# Allegro board reServer industrial J401 Carrier Board v11.brd (continued)
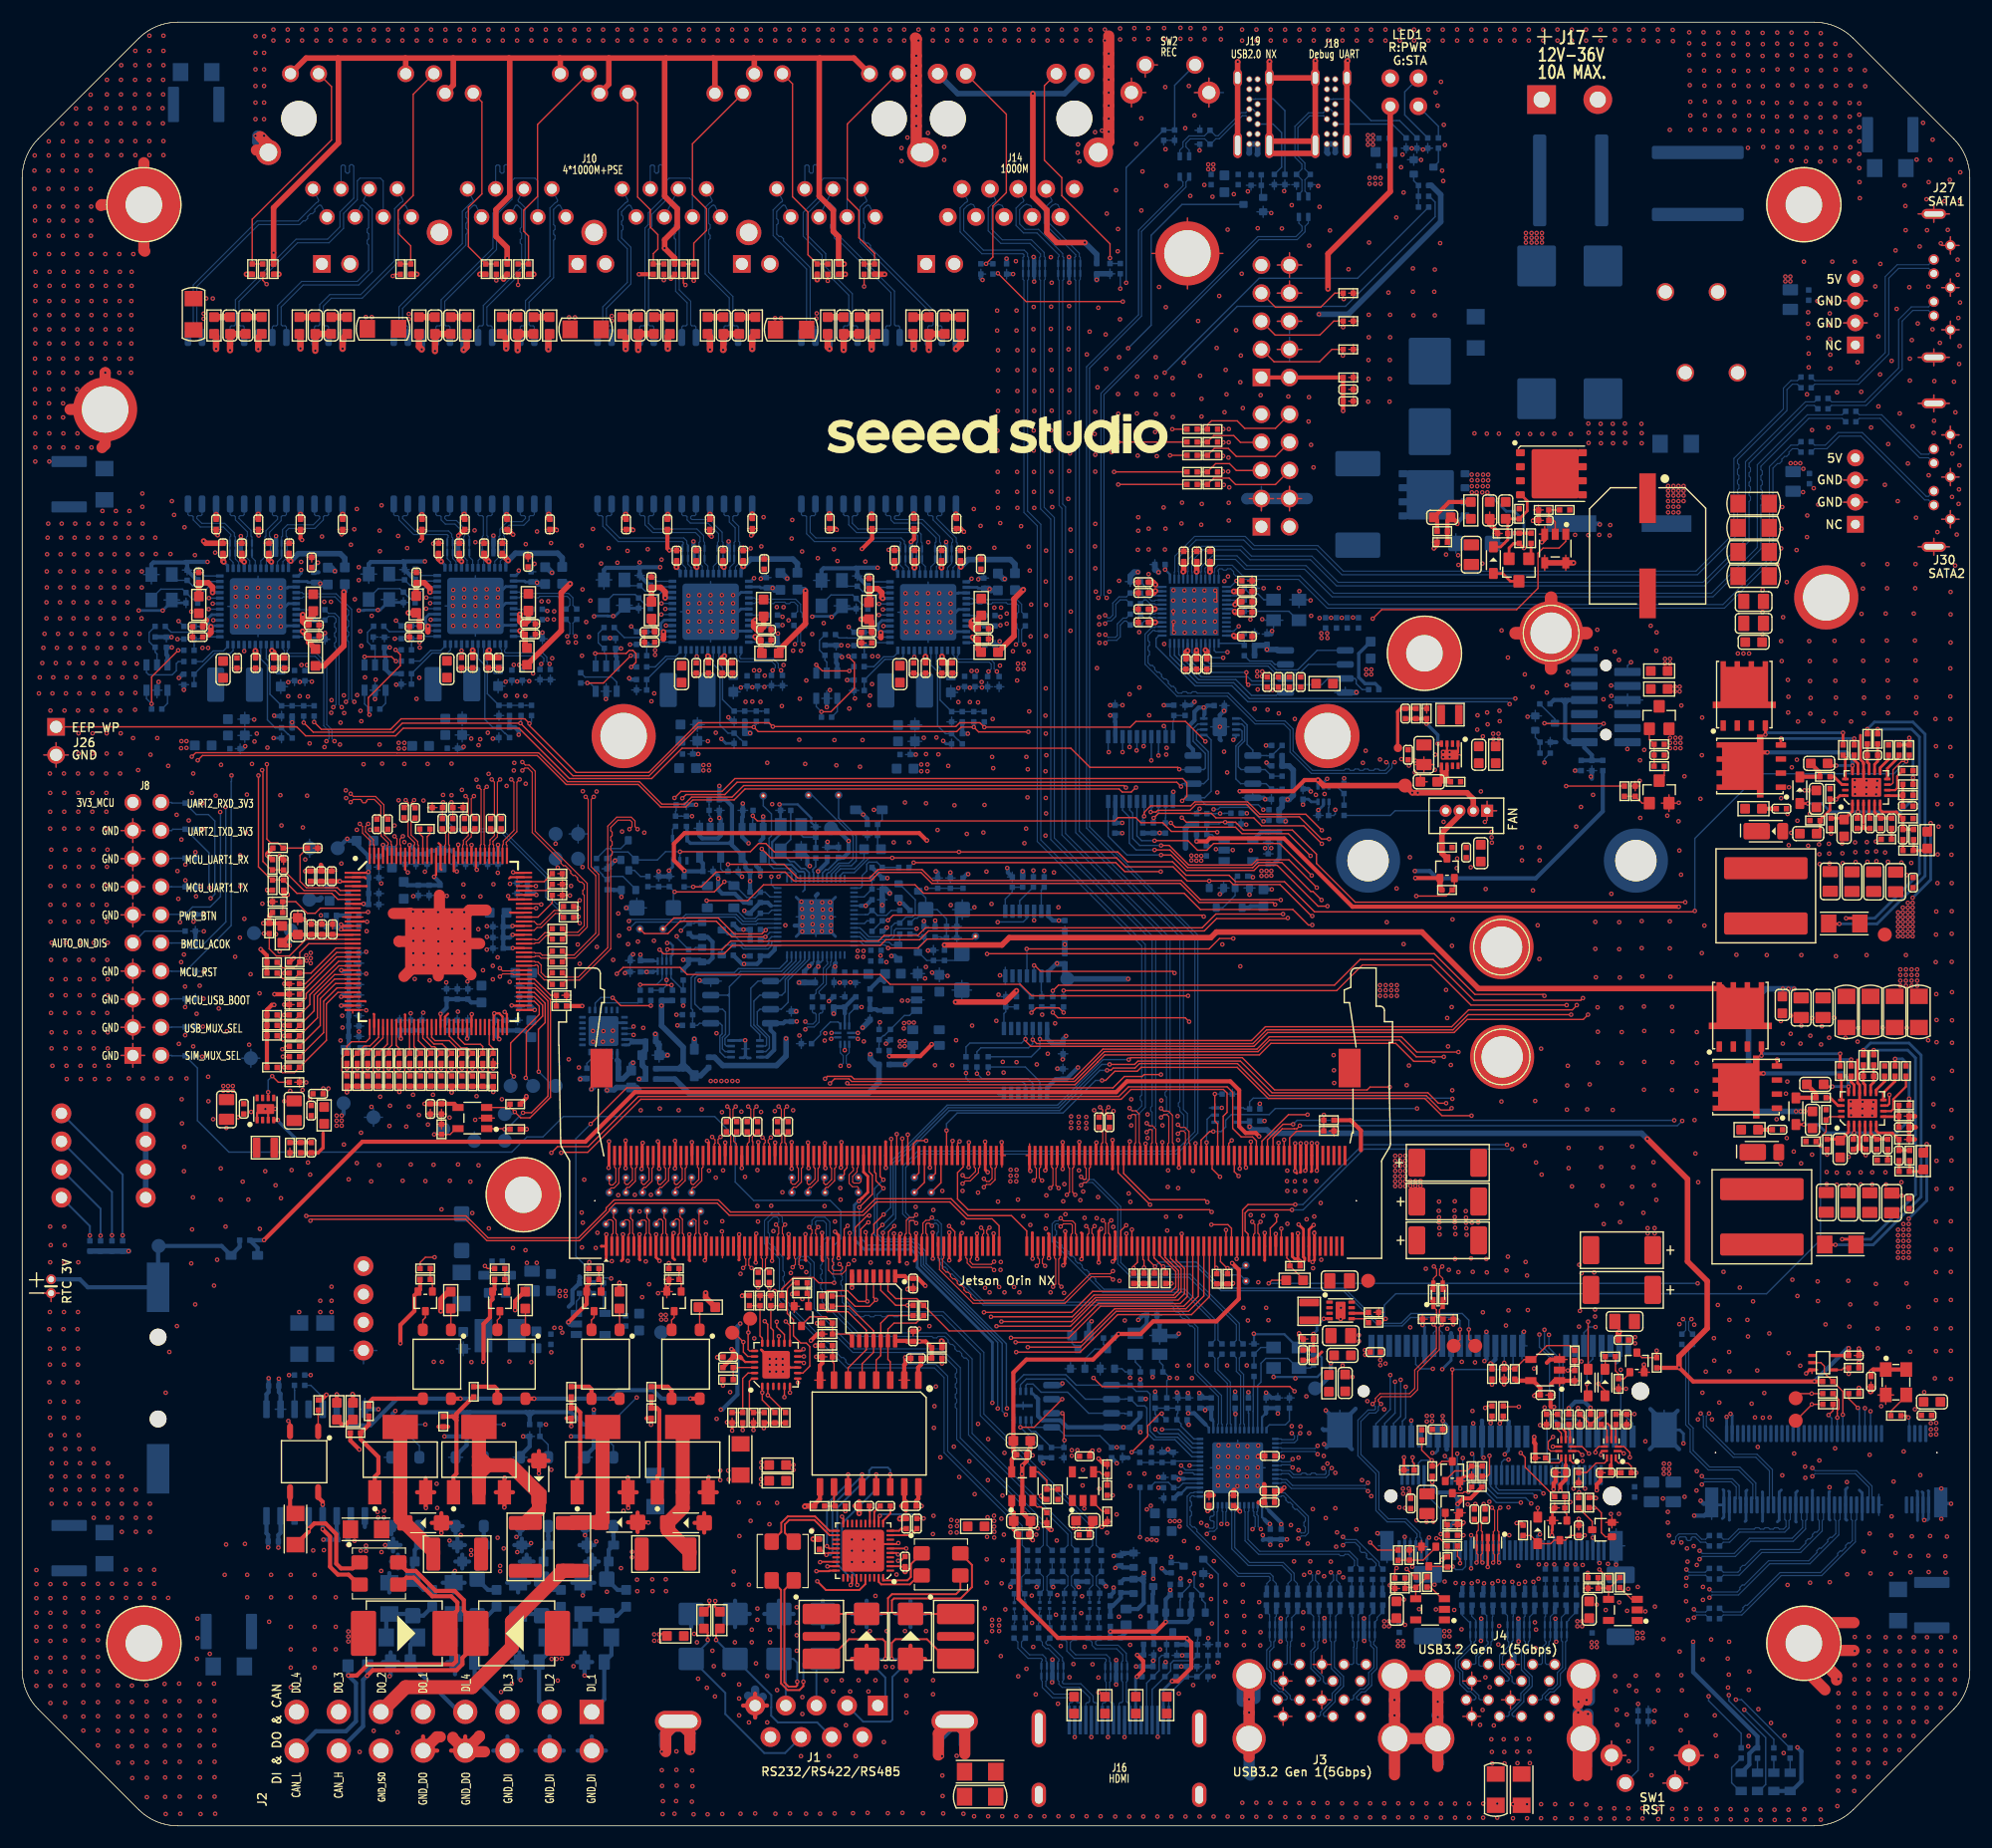
[diagram p0: board, top side]
## Footprints (pads in the part's own frame, mm; a bottom-side part is the same pattern mirrored in y, then rotated) (continued)
QFN24_0D5_4X4MM
  rrect 0.6x0.25 smd: 1(-1.9,1.25) 2(-1.9,0.75) 3(-1.9,0.25) 4(-1.9,-0.25) 5(-1.9,-0.75) 6(-1.9,-1.25) 13(1.9,-1.25) 14(1.9,-0.75) 15(1.9,-0.25) 16(1.9,0.25) 17(1.9,0.75) 18(1.9,1.25)
  rrect 0.25x0.6 smd: 7(-1.25,-1.9) 8(-0.75,-1.9) 9(-0.25,-1.9) 10(0.25,-1.9) 11(0.75,-1.9) 12(1.25,-1.9) 19(1.25,1.9) 20(0.75,1.9) 21(0.25,1.9) 22(-0.25,1.9) 23(-0.75,1.9) 24(-1.25,1.9)
  rrect 2.7x2.7 smd: 25(0,0)
QFN40_0D4_5X5MM
  rrect 0.7x0.2 smd: 1(-2.45,1.8) 2(-2.45,1.4) 3(-2.45,1) 4(-2.45,0.6) 5(-2.45,0.2) 6(-2.45,-0.2) 7(-2.45,-0.6) 8(-2.45,-1) 9(-2.45,-1.4) 10(-2.45,-1.8) 21(2.45,-1.8) 22(2.45,-1.4) 23(2.45,-1) 24(2.45,-0.6) 25(2.45,-0.2) 26(2.45,0.2) 27(2.45,0.6) 28(2.45,1) 29(2.45,1.4) 30(2.45,1.8)
  rrect 0.2x0.7 smd: 11(-1.8,-2.45) 12(-1.4,-2.45) 13(-1,-2.45) 14(-0.6,-2.45) 15(-0.2,-2.45) 16(0.2,-2.45) 17(0.6,-2.45) 18(1,-2.45) 19(1.4,-2.45) 20(1.8,-2.45) 31(1.8,2.45) 32(1.4,2.45) 33(1,2.45) 34(0.6,2.45) 35(0.2,2.45) 36(-0.2,2.45) 37(-0.6,2.45) 38(-1,2.45) 39(-1.4,2.45) 40(-1.8,2.45)
  rrect 3.8x3.8 smd: 41(0,0)
QFN48_0D4_6X6_EP
  rect 0.8x0.2 smd: 1(-2.9,2.2) 2(-2.9,1.8) 3(-2.9,1.4) 4(-2.9,1) 5(-2.9,0.6) 6(-2.9,0.2) 7(-2.9,-0.2) 8(-2.9,-0.6) 9(-2.9,-1) 10(-2.9,-1.4) 11(-2.9,-1.8) 12(-2.9,-2.2) 25(2.9,-2.2) 26(2.9,-1.8) 27(2.9,-1.4) 28(2.9,-1) 29(2.9,-0.6) 30(2.9,-0.2) 31(2.9,0.2) 32(2.9,0.6) 33(2.9,1) 34(2.9,1.4) 35(2.9,1.8) 36(2.9,2.2)
  rect 0.2x0.8 smd: 13(-2.2,-2.9) 14(-1.8,-2.9) 15(-1.4,-2.9) 16(-1,-2.9) 17(-0.6,-2.9) 18(-0.2,-2.9) 19(0.2,-2.9) 20(0.6,-2.9) 21(1,-2.9) 22(1.4,-2.9) 23(1.8,-2.9) 24(2.2,-2.9) 37(2.2,2.9) 38(1.8,2.9) 39(1.4,2.9) 40(1,2.9) 41(0.6,2.9) 42(0.2,2.9) 43(-0.2,2.9) 44(-0.6,2.9) 45(-1,2.9) 46(-1.4,2.9) 47(-1.8,2.9) 48(-2.2,2.9)
  rect 4.4x4.4 smd: 49(0,0)
QFN48_0D5_7X7MM
  rrect 0.7x0.3 smd: 1(-3.45,2.75) 2(-3.45,2.25) 3(-3.45,1.75) 4(-3.45,1.25) 5(-3.45,0.75) 6(-3.45,0.25) 7(-3.45,-0.25) 8(-3.45,-0.75) 9(-3.45,-1.25) 10(-3.45,-1.75) 11(-3.45,-2.25) 12(-3.45,-2.75) 25(3.45,-2.75) 26(3.45,-2.25) 27(3.45,-1.75) 28(3.45,-1.25) 29(3.45,-0.75) 30(3.45,-0.25) 31(3.45,0.25) 32(3.45,0.75) 33(3.45,1.25) 34(3.45,1.75) 35(3.45,2.25) 36(3.45,2.75)
  rrect 0.3x0.7 smd: 13(-2.75,-3.45) 14(-2.25,-3.45) 15(-1.75,-3.45) 16(-1.25,-3.45) 17(-0.75,-3.45) 18(-0.25,-3.45) 19(0.25,-3.45) 20(0.75,-3.45) 21(1.25,-3.45) 22(1.75,-3.45) 23(2.25,-3.45) 24(2.75,-3.45) 37(2.75,3.45) 38(2.25,3.45) 39(1.75,3.45) 40(1.25,3.45) 41(0.75,3.45) 42(0.25,3.45) 43(-0.25,3.45) 44(-0.75,3.45) 45(-1.25,3.45) 46(-1.75,3.45) 47(-2.25,3.45) 48(-2.75,3.45)
  rrect 5.1x5.1 smd: 49(0,0)
QFN56_0D4_7X7X0_9MM
  rrect 0.7x0.18 smd: 1(-3.45,2.6) 2(-3.45,2.2) 3(-3.45,1.8) 4(-3.45,1.4) 5(-3.45,1) 6(-3.45,0.6) 7(-3.45,0.2) 8(-3.45,-0.2) 9(-3.45,-0.6) 10(-3.45,-1) 11(-3.45,-1.4) 12(-3.45,-1.8) 13(-3.45,-2.2) 14(-3.45,-2.6) 29(3.45,-2.6) 30(3.45,-2.2) 31(3.45,-1.8) 32(3.45,-1.4) 33(3.45,-1) 34(3.45,-0.6) 35(3.45,-0.2) 36(3.45,0.2) 37(3.45,0.6) 38(3.45,1) 39(3.45,1.4) 40(3.45,1.8) 41(3.45,2.2) 42(3.45,2.6)
  rrect 0.18x0.7 smd: 15(-2.6,-3.45) 16(-2.2,-3.45) 17(-1.8,-3.45) 18(-1.4,-3.45) 19(-1,-3.45) 20(-0.6,-3.45) 21(-0.2,-3.45) 22(0.2,-3.45) 23(0.6,-3.45) 24(1,-3.45) 25(1.4,-3.45) 26(1.8,-3.45) 27(2.2,-3.45) 28(2.6,-3.45) 43(2.6,3.45) 44(2.2,3.45) 45(1.8,3.45) 46(1.4,3.45) 47(1,3.45) 48(0.6,3.45) 49(0.2,3.45) 50(-0.2,3.45) 51(-0.6,3.45) 52(-1,3.45) 53(-1.4,3.45) 54(-1.8,3.45) 55(-2.2,3.45) 56(-2.6,3.45)
  rrect 3.2x3.2 smd: 57(0,0)
R0402
  rrect 0.5x0.5 smd: 1(-0.463,0) 2(0.463,0)
R0603
  rrect 0.889x0.889 smd: 1(-0.762,0) 2(0.762,0)
R0805
  rrect 1.016x1.397 smd: 1(-0.889,0) 2(0.889,0)
R1206
  rect 1.397x1.626 smd: 1(-1.41,0) 2(1.41,0)
RES_0D8_16_5X4_1X20MM
  round 1.6 hole 1.2: 1(-3.65,0.9) 2(3.65,-0.9)
RJ45_1X4_48P_LPJE104-0BENL
  round 3.2 hole 3.2 unplated: (-26.67,0) (26.67,0)
  round 1.4 hole 0.9: A1(-25.4,6.35) A2(-24.13,8.89) A3(-22.86,6.35) A4(-21.59,8.89) A5(-20.32,6.35) A6(-19.05,8.89) A7(-17.78,6.35) A8(-16.51,8.89) B1(-11.43,6.35) B2(-10.16,8.89) B3(-8.89,6.35) B4(-7.62,8.89) B5(-6.35,6.35) B6(-5.08,8.89) B7(-3.81,6.35) B8(-2.54,8.89) C1(2.54,6.35) C2(3.81,8.89) C3(5.08,6.35) C4(6.35,8.89) C5(7.62,6.35) C6(8.89,8.89) C7(10.16,6.35) C8(11.43,8.89) D1(16.51,6.35) D2(17.78,8.89) D3(19.05,6.35) D4(20.32,8.89) D5(21.59,6.35) D6(22.86,8.89) D7(24.13,6.35) D8(25.4,8.89)
  round 1.53 hole 1.02: A9(-27.43,-4.06) A10(-24.89,-4.06) A11(-17.02,-4.06) A12(-14.48,-4.06) B9(-13.46,-2.29) B10(-10.92,-2.29) B11(-3.05,-4.06) B12(-0.51,-4.06) C9(0.51,-2.29) C10(3.05,-2.29) C11(10.92,-2.29) C12(13.46,-2.29) D9(14.48,-4.06) D10(17.02,-4.06) D11(24.89,-4.06) D12(27.43,-4.06)
  round 2.3 hole 1.6: S1(-29.43,3.05) S2(-13.97,10.29) S3(0,10.29) S4(13.97,10.29) S5(29.43,3.05)
RJ45_18P_LPJG0801HBNL
  round 3.25 hole 3.25 unplated: (-5.715,0) (5.715,0)
  round 1.6 hole 0.9: 1(-5.715,8.89) 2(-4.445,6.35) 3(-3.175,8.89) 4(-1.905,6.35) 5(-0.635,8.89) 6(0.635,6.35) 7(1.905,8.89) 8(3.175,6.35) 9(4.445,8.89) 10(5.715,6.35)
  round 1.8 hole 1.05: 11(-6.63,-4.06) 12(-4.09,-4.06) 13(4.09,-4.06) 14(6.63,-4.06)
  round 2.7 hole 1.7: 15(-7.875,3.05) 16(7.875,3.05)
SATA7P_1D27_16_1X6_4X8_4MM
  round 0.95 hole 0.635: G1(-3.63,-1.5) G2(0.18,-1.5) G3(3.99,-1.5) R+(-2.36,0) R-(-1.09,0) T+(2.72,0) T-(1.45,0)
  oval 0.9x2.2 hole 0.5x1.78: S1(-6.48,0) S2(6.48,0)
SMD3P_2D0_6_5X4X1MM
  rrect 1.85x3.4 smd: 1(-2.025,0) 3(2.025,0)
  rrect 0.8x3.4 smd: 2(0,0)
SOD_123
  rrect 1.397x1.397 smd: 1(-1.651,0) 2(1.651,0)
SOD_323
  rrect 1x0.8 smd: 1(-1.2,0) 2(1.2,0)
SOIC8_1D27_4_9X3_9MM
  rrect 0.6x1.55 smd: 1(-1.905,-2.7) 2(-0.635,-2.7) 3(0.635,-2.7) 4(1.905,-2.7) 5(1.905,2.7) 6(0.635,2.7) 7(-0.635,2.7) 8(-1.905,2.7)
SOIC16_1R27_10R3X7R5MM
  rrect 0.6x1.6 smd: 1(-4.445,-4.825) 2(-3.175,-4.825) 3(-1.905,-4.825) 4(-0.635,-4.825) 5(0.635,-4.825) 6(1.905,-4.825) 7(3.175,-4.825) 8(4.445,-4.825) 9(4.445,4.825) 10(3.175,4.825) 11(1.905,4.825) 12(0.635,4.825) 13(-0.635,4.825) 14(-1.905,4.825) 15(-3.175,4.825) 16(-4.445,4.825)
SON8P_1D27_5X6X1MM
  rrect 0.8x0.65 smd: 1(-2.802,1.905) 2(-2.802,0.635) 3(-2.802,-0.635) 4(-2.802,-1.905) 5(2.802,-1.905) 6(2.802,-0.635) 7(2.802,0.635) 8(2.802,1.905)
  rrect 4.27x4.46 smd: 9(0.337,0)
SOP4-2_54MM
  rrect 0.91x1.14 smd: 1(-1.27,-3.11) 2(1.27,-3.11) 3(1.27,3.11) 4(-1.27,3.11)
SOP4-2_54MM-S
  oval 0.55x1.45 smd: 1(-1.27,-2.75) 2(1.27,-2.75) 3(1.27,2.75) 4(-1.27,2.75)
SOT6
  rrect 0.6x0.3 smd: 1(-0.74,0.5) 2(-0.74,0) 3(-0.74,-0.5) 4(0.66,-0.5) 5(0.66,0) 6(0.66,0.5)
SOT23
  rrect 1.016x1.143 smd: 1(-0.889,-1.016) 2(0.889,-1.016) 3(0,1.016)
SOT23-5
  rect 0.635x1.016 smd: 1(-0.953,-1.295) 2(0,-1.295) 3(0.953,-1.295) 4(0.953,1.295) 5(-0.953,1.295)
SOT23_6
  rrect 0.55x1.016 smd: 1(-0.95,-1.143) 2(0,-1.143) 3(0.95,-1.143) 4(0.95,1.143) 5(0,1.143) 6(-0.95,1.143)
SOT223_4
  rect 2.2x1.2 smd: 1(-2.95,2.3) 2(-2.95,0) 3(-2.95,-2.3)
  rect 2.2x3.2 smd: 4(2.95,0)
SOT353
  rrect 0.3x0.7 smd: 1(-0.65,-1) 2(0,-1) 3(0.65,-1) 4(0.65,1) 5(-0.65,1)
SOT-323-3
  rrect 0.635x0.762 smd: 1(-0.635,-0.889) 2(0.665,-0.889) 3(0,0.889)
SOT_143
  rect 1.219x1.397 smd: 1(-0.75,-1.1)
  rect 1.016x1.397 smd: 2(0.95,-1.1) 3(0.95,1.1) 4(-0.95,1.1)
SW8P_2D54_11_72X9_6X9_4MM
  round 1.8 hole 1.036: 1(-3.81,-3.81) 2(-1.27,-3.81) 3(1.27,-3.81) 4(3.81,-3.81) 5(3.81,3.81) 6(1.27,3.81) 7(-1.27,3.81) 8(-3.81,3.81)
SWITCH4-8X7X7MM
  round 1.6 hole 1.1: 1(-2.25,0.15) 2(2.25,0.15)
  round 2 hole 1.2: 3(-3.5,-2.35) 4(3.5,-2.35)
TERMINAL_2P_5D08
  rect 2.6x2.6 hole 1.45: 1(-2.54,0)
  round 2.6 hole 1.45: 2(2.54,0)
TERMINAL_2X8P_3D81
  rect 2.2x2.2 hole 1.4: 1(-13.335,0)
  round 2.2 hole 1.4: 2(-13.335,-3.5) 3(-9.525,0) 4(-9.525,-3.5) 5(-5.715,0) 6(-5.715,-3.5) 7(-1.905,0) 8(-1.905,-3.5) 9(1.905,0) 10(1.905,-3.5) 11(5.715,0) 12(5.715,-3.5) 13(9.525,0) 14(9.525,-3.5) 15(13.335,0) 16(13.335,-3.5)
TP28C8D
  round 0.45 hole 0.2: 1(0,0)
TP30C_SMD
  round 0.762 smd: 1(0,0)
TP60C_SMD
  round 1.27 smd: 1(0,0)
TRF24P_1D27_17_7X12_2X6_6MM
  rrect 0.6x1.55 smd: 1(-6.985,-7.525) 2(-5.715,-7.525) 3(-4.445,-7.525) 4(-3.175,-7.525) 5(-1.905,-7.525) 6(-0.635,-7.525) 7(0.635,-7.525) 8(1.905,-7.525) 9(3.175,-7.525) 10(4.445,-7.525) 11(5.715,-7.525) 12(6.985,-7.525) 13(6.985,7.525) 14(5.715,7.525) 15(4.445,7.525) 16(3.175,7.525) 17(1.905,7.525) 18(0.635,7.525) 19(-0.635,7.525) 20(-1.905,7.525) 21(-3.175,7.525) 22(-4.445,7.525) 23(-5.715,7.525) 24(-6.985,7.525)
TSSOP14_0D65_5X4D4X1D2MM
  rrect 0.4x1.2 smd: 1(-1.95,-2.925) 2(-1.3,-2.925) 3(-0.65,-2.925) 4(0,-2.925) 5(0.65,-2.925) 6(1.3,-2.925) 7(1.95,-2.925) 8(1.95,2.925) 9(1.3,2.925) 10(0.65,2.925) 11(0,2.925) 12(-0.65,2.925) 13(-1.3,2.925) 14(-1.95,2.925)
TSSOP20-0_65-6_5X4_4X1MM
  rrect 0.4x1.2 smd: 1(-2.925,-2.925) 2(-2.275,-2.925) 3(-1.625,-2.925) 4(-0.975,-2.925) 5(-0.325,-2.925) 6(0.325,-2.925) 7(0.975,-2.925) 8(1.625,-2.925) 9(2.275,-2.925) 10(2.925,-2.925) 11(2.925,2.925) 12(2.275,2.925) 13(1.625,2.925) 14(0.975,2.925) 15(0.325,2.925) 16(-0.325,2.925) 17(-0.975,2.925) 18(-1.625,2.925) 19(-2.275,2.925) 20(-2.925,2.925)
UDFN8_0D5_2X3X0_6MM
  rrect 0.25x0.7 smd: 1(-0.75,-1.45) 2(-0.25,-1.45) 3(0.25,-1.45) 4(0.75,-1.45) 5(0.75,1.45) 6(0.25,1.45) 7(-0.25,1.45) 8(-0.75,1.45)
  rrect 1.7x1.3 smd: 9(0,0)
USB2_0_TYPE_C_14X3D16X8D94MM
  round 0.55 hole 0.4: A1(2.925,-0.375) A4(2.025,-0.375) A5(1.125,-0.375) A6(0.225,-0.375) A7(-0.675,-0.375) A9(-2.025,-0.375) A12(-2.925,-0.375) B1(-2.925,0.375) B4(-2.025,0.375) B5(-1.125,0.375) B6(-0.225,0.375) B7(0.675,0.375) B9(2.025,0.375) B12(2.925,0.375)
  oval 2.3x0.8 hole 1.8x0.5: S1(-3.05,1.43) S4(-3.05,-1.43)
  oval 1.6x0.8 hole 1.1x0.5: S2(3.05,1.43) S3(3.05,-1.43)
USB3_1_2D0_17_5X13_6X15_69MM
  round 1 hole 0.7: 1(-3.5,2) 2(-1,2) 3(1,2) 4(3.5,2) 5(4,3.5) 6(2,3.5) 7(0,3.5) 8(-2,3.5) 9(-4,3.5) 10(-3.5,5.2) 11(-1,5.2) 12(1,5.2) 13(3.5,5.2) 14(4,6.7) 15(2,6.7) 16(0,6.7) 17(-2,6.7) 18(-4,6.7)
  round 3 hole 2.3: 19(-6.57,5.68) 20(-6.57,0) 21(6.57,0) 22(6.57,5.68)
USON8_0D5_3X2X0_6MM
  rrect 0.25x0.7 smd: 1(-0.75,-1.3) 2(-0.25,-1.3) 3(0.25,-1.3) 4(0.75,-1.3) 5(0.75,1.3) 6(0.25,1.3) 7(-0.25,1.3) 8(-0.75,1.3)
  rrect 1.75x0.3 smd: 9(0,0)
USON10_0D5_2D5X1X0D5MM
  oval 0.2x0.7 smd: 1(-1,-0.45) 2(-0.5,-0.45) 4(0.5,-0.45) 5(1,-0.45) 6(1,0.45) 7(0.5,0.45) 9(-0.5,0.45) 10(-1,0.45)
  rrect 0.4x0.7 smd: 3(0,-0.45) 8(0,0.45)
VQFN24_0D5_4X4X1MM
  oval 0.7x0.24 smd: 1(-1.95,1.25) 2(-1.95,0.75) 3(-1.95,0.25) 4(-1.95,-0.25) 5(-1.95,-0.75) 6(-1.95,-1.25) 13(1.95,-1.25) 14(1.95,-0.75) 15(1.95,-0.25) 16(1.95,0.25) 17(1.95,0.75) 18(1.95,1.25)
  oval 0.24x0.7 smd: 7(-1.25,-1.95) 8(-0.75,-1.95) 9(-0.25,-1.95) 10(0.25,-1.95) 11(0.75,-1.95) 12(1.25,-1.95) 19(1.25,1.95) 20(0.75,1.95) 21(0.25,1.95) 22(-0.25,1.95) 23(-0.75,1.95) 24(-1.25,1.95)
  rrect 2.5x2.5 smd: 25(0,0)
VQFN56_0D4_7X7X1MM
  rrect 0.6x0.23 smd: 1(-3.4,2.6) 2(-3.4,2.2) 3(-3.4,1.8) 4(-3.4,1.4) 5(-3.4,1) 6(-3.4,0.6) 7(-3.4,0.2) 8(-3.4,-0.2) 9(-3.4,-0.6) 10(-3.4,-1) 11(-3.4,-1.4) 12(-3.4,-1.8) 13(-3.4,-2.2) 14(-3.4,-2.6) 29(3.4,-2.6) 30(3.4,-2.2) 31(3.4,-1.8) 32(3.4,-1.4) 33(3.4,-1) 34(3.4,-0.6) 35(3.4,-0.2) 36(3.4,0.2) 37(3.4,0.6) 38(3.4,1) 39(3.4,1.4) 40(3.4,1.8) 41(3.4,2.2) 42(3.4,2.6)
  rrect 0.23x0.6 smd: 15(-2.6,-3.4) 16(-2.2,-3.4) 17(-1.8,-3.4) 18(-1.4,-3.4) 19(-1,-3.4) 20(-0.6,-3.4) 21(-0.2,-3.4) 22(0.2,-3.4) 23(0.6,-3.4) 24(1,-3.4) 25(1.4,-3.4) 26(1.8,-3.4) 27(2.2,-3.4) 28(2.6,-3.4) 43(2.6,3.4) 44(2.2,3.4) 45(1.8,3.4) 46(1.4,3.4) 47(1,3.4) 48(0.6,3.4) 49(0.2,3.4) 50(-0.2,3.4) 51(-0.6,3.4) 52(-1,3.4) 53(-1.4,3.4) 54(-1.8,3.4) 55(-2.2,3.4) 56(-2.6,3.4)
  rrect 4.6x4.6 smd: 57(0,0)
WQFN10_0D4_1_8X1_4X0_75MM
  rect 0.22x0.75 smd: 1(-0.2,-0.575)
  rect 0.22x0.65 smd: 2(0.2,-0.625) 6(0.2,0.625) 7(-0.2,0.625)
  rect 0.65x0.22 smd: 3(0.825,-0.4) 4(0.825,0) 5(0.825,0.4) 8(-0.825,0.4) 9(-0.825,0) 10(-0.825,-0.4)
X2SON8_0D4_1_8X1_2X0_4MM
  rrect 0.2x0.7 smd: 1(-0.6,-0.45) 2(-0.2,-0.45) 3(0.2,-0.45) 4(0.6,-0.45) 5(0.6,0.45) 6(0.2,0.45) 7(-0.2,0.45) 8(-0.6,0.45)
X4-SMD-3_2X2_5X1_0MM
  rect 1.321x1.067 smd: 1(-1.15,-0.925) 2(1.15,-0.925) 3(1.15,0.925) 4(-1.15,0.925)

## Nets
1V1_MCU: C79.1 C107.1 C109.1 TP49.1(TP) U23.23 U23.45(VREG_VOUT) U23.50
1V25_FB: C580.2 R624.2 R625.1 U77.4
1V25_SW: L34.1 U77.2(SW)
3V3_IN_A: C582.1 FB35.2 R622.1 U77.7 U77.8
3V3_LDO: C106.1 FB4.1 R151.1 U26.5(OUT)
3V3_LDO_EN: C132.1 R177.2 R189.2 U26.3
3V3_LS_VCC: C105.1 D94.2(C) R156.1 R418.1 R419.2 R420.2 U24.8(VCCB)
3V3_MCU: C80.1 C84.1 C90.1 C93.1 C98.1 C100.1 C104.1 C108.1 C110.1 C111.1 C121.1 D26.2(C) FB4.2 J8.19 Q9.1 Q14.1 R87.1 R97.1 R100.1 R111.1 R117.2 R126.1 R128.2 R130.1 R135.1 R136.1 R137.1 R140.1 R142.1 R175.1 U20.5 U21.5 U23.1 U23.10 U23.22 U23.33 U23.42 U23.43 U23.44 U23.48 U23.49 U27.8 U28.8
3V3_MCU_FB: R151.2 R168.1 U26.4
3V3_UART: R417.1 R419.1
3V3_USB_SWITCH: C117.1 R159.1 R284.1 R417.2 R422.2 U29.9(VCC)
5V_ISO: C14.1 C60.1 C292.1 D19.2(C) R64.2 R68.1 R71.1 R301.1 R405.1 U7.11(VCC2_2) U7.16
12V_DI_1_R: C13.1 D14.1 D18.2(C) Q5.1 R27.2
12V_DI_2_R: C12.1 D13.1 D17.2(C) Q4.1 R25.2
12V_DI_3_R: C11.1 D12.1 D16.2(C) Q3.1 R23.2
12V_DI_4_R: C10.1 D11.1 D15.2(C) Q2.1 R21.2
AVDD12_1V2: C519.1 C520.1 C521.1 FB27.1 U71.4 U71.9 U71.45
AVDD12_1V20: C275.1 C279.1 C280.1 FB10.1 U38.4 U38.9 U38.45
AVDD12_1V21: C442.1 C443.1 C444.1 FB17.1 U30.4 U30.9 U30.45
AVDD12_1V22: C479.1 C480.1 C481.1 FB13.1 U48.4 U48.9 U48.45
AVDDH_2V5: C528.1 C529.1 FB31.1 U71.1 U71.12
AVDDH_2V50: C278.1 C281.1 FB8.1 U38.1 U38.12
AVDDH_2V51: C451.1 C452.1 FB21.1 U30.1 U30.12
AVDDH_2V52: C488.1 C489.1 FB25.1 U48.1 U48.12
GND: C1.2 C2.2 C3.2 C4.2 C5.2 C15.2 C16.2 C17.2 C18.2 C19.2 C20.2 C21.2 C22.2 C23.2 C24.2 C25.2 C26.2 C27.2 C28.2 C29.2 C30.2 C31.2 C34.2 C37.2 C38.2 C39.2 C40.2 C41.2 C42.2 C45.2 C46.2 C47.2 C48.2 C49.2 C50.2 C51.2 C52.1 C53.2 C54.2 C55.2 C56.2 C57.2 C58.2 C61.2 C63.2 C64.2 C65.2 C66.2 C67.2 C68.2 C69.2 C70.2 C71.2 C72.2 C73.2 C74.1 C75.2 C76.2 C77.2 C78.2 C79.2 C80.2 C81.2 C82.2 C83.2 C84.2 C85.2 C86.1 C87.2 C88.2 C89.2 C90.2 C91.2 C92.2 C93.2 C94.2 C96.2 C97.2 C98.2 C99.2 C100.2 C101.2 C102.2 C103.2 C104.2 C105.2 C106.2 C107.2 C108.2 C109.2 C110.2 C111.2 C112.2 C113.2 C114.2 C116.2 C117.2 C119.2 C120.2 C121.2 C122.2 C126.2 C127.2 C128.2 C129.2 C130.2 C132.2 C134.2 C135.2 C136.2 C137.2 C138.2 C139.2 C140.1 C145.2 C146.1 C147.2 C148.2 C149.2 C150.2 C151.1 C152.2 C153.2 C154.2 C155.2 C156.2 C157.2 C158.2 C159.2 C160.2 C161.2 C162.2 C163.2 C164.2 C167.2 C168.2 C169.2 C179.2 C180.2 C181.2 C182.2 C183.2 C184.2 C193.2 C194.2 C195.2 C196.2 C197.2 C198.2 C199.2 C200.2 C201.2 C202.2 C203.2 C206.2 C208.2 C211.2 C214.2 C218.2 C219.2 C220.2 C221.2 C222.2 C223.2 C224.2 C225.2 C226.1 C227.2 C228.2 C229.2 C233.2 C234.2 C235.2 C236.2 C237.2 C238.2 C239.2 C240.2 C241.2 C242.2 C243.1 C245.2 C246.2 C247.2 C249.2 C251.2 C252.2 C253.2 C254.2 C255.2 C256.2 C257.2 C260.2 C266.2 C267.2 C268.2 C269.2 C270.2 C271.2 C272.2 C273.2 C274.2 C275.2 C278.2 C279.2 C280.2 C281.2 C282.2 C285.2 C286.2 C293.2 C294.2 C295.2 C297.2 C298.1 C299.1 C300.2 C301.2 C302.2 C305.2 C314.2 C315.2 C316.2 C317.2 C318.2 C319.2 C320.2 C321.2 C322.2 C323.2 C324.2 C325.2 C326.2 C327.2 C328.2 C330.2 C331.2 C332.2 C333.2 C334.2 C335.2 C336.2 C337.2 C338.2 C339.2 C340.2 C341.2 C342.2 C343.2 C344.2 C345.2 C346.2 C347.2 C348.2 C349.2 C350.2 C351.2 C352.2 C353.2 C354.2 C355.2 C356.2 C357.2 C358.2 C359.2 C360.2 C361.2 C362.2 C363.2 C364.2 C365.2 C366.2 C367.2 C368.2 C369.2 C370.2 C371.2 C372.2 C373.2 C374.2 C375.2 C376.2 C377.2 C378.2 C379.2 C380.2 C381.2 C382.2 C383.2 C384.2 C385.2 C386.2 C397.2 C398.2 C399.2 C400.2 C401.2 C408.2 C409.2 C410.2 C415.2 C417.2 C418.2 C419.2 C424.2 C425.2 C428.2 C429.2 C430.2 C431.2 C432.2 C433.2 C434.2 C435.2 C436.2 C437.2 C438.2 C439.2 C440.2 C441.2 C442.2 C443.2 C444.2 C445.2 C446.2 C447.2 C448.2 C449.2 C450.2 C451.2 C452.2 C455.2 C456.2 C461.2 C462.2 C465.2 C466.2 C467.2 C468.2 C469.2 C470.2 C471.2 C472.2 C473.2 C474.2 C475.2 C476.2 C477.2 C478.2 C479.2 C480.2 C481.2 C482.2 C483.2 C484.2 C485.2 C486.2 C487.2 C488.2 C489.2 C494.2 C495.2 C496.2 C501.2 C502.2 C505.2 C506.2 C507.2 C508.2 C509.2 C510.2 C511.2 C512.2 C513.2 C514.2 C515.2 C516.2 C517.2 C518.2 C519.2 C520.2 C521.2 C522.2 C523.2 C524.2 C525.2 C526.2 C527.2 C528.2 C529.2 C530.2 C531.2 C532.2 C533.2 C534.2 C535.2 C536.2 C537.2 C538.2 C539.2 C540.2 C541.2 C542.2 C543.2 C544.2 C545.2 C546.2 C547.2 C548.2 C549.2 C550.2 C551.2 C552.2 C553.2 C554.2 C559.2 C560.2 C568.2 C569.2 C576.2 C577.2 C581.2 C582.2 C583.2 C584.2 D1.1 D3.1 D10.1 D20.1 D22.1 D23.1 D24.1 D25.1 D27.1 D28.1 D30.1 D32.1 D33.1 D34.1 D35.1 D37.1 D38.1 D42.1 D43.1 D44.1 D45.1 D46.1 D49.1 D50.1 D51.1 D52.1 D53.1 D54.1 D55.1 D56.1 D57.1 D58.1 D59.1 D60.1 D65.1 D66.1 D71.1 D72.1 D73.1 D74.1 D75.1 D76.1 D77.1 D78.1 D79.1 D88.1 D90.1 D91.1 D92.1 D93.1 D96.1 D97.1 D98.1 D99.1 D100.1 D102.1 D103.1 D104.1 J3.4 J3.7 J3.13 J3.16 J4.4 J4.7 J4.13 J4.16 J5.4 J5.9 J5.15 J5.18 J5.21 J5.26 J5.27 J5.29 J5.34 J5.35 J5.37 J5.40 J5.43 J5.50 J5.53 J5.54 J6.3 J6.5 J6.11 J6.27 J6.33 J6.39 J6.45 J6.51 J6.57 J6.71 J6.73 J6.76 J6.77 J7.1 J8.1 J8.3 J8.5 J8.7 J8.11 J8.13 J8.15 J8.17 J9.1 J9.2 J9.7 J9.8 J9.13 J9.14 J9.19 J9.20 J9.25 J9.26 J9.31 J9.32 J9.37 J9.38 J9.43 J9.44 J9.49 J9.50 J9.55 J9.56 J9.61 J9.62 J9.67 J9.68 J9.73 J9.74 J9.79 J9.80 J9.85 J9.86 J9.102 J9.107 J9.113 J9.119 J9.125 J9.129 J9.132 J9.135 J9.138 J9.141 J9.144 J9.146 J9.147 J9.152 J9.153 J9.158 J9.159 J9.164 J9.165 J9.170 J9.171 J9.176 J9.177 J9.200 J9.201 J9.231 J9.241 J9.242 J9.243 J9.244 J9.245 J9.246 J9.247 J9.248 J9.249 J9.250 J9.261 J9.262 J11.8 J12.1 J15.4 J15.6 J15.8 J15.10 J16.2 J16.5 J16.8 J16.11 J16.17 J18.A1 J18.A12 J18.B1 J18.B12 J19.A1 J19.A12 J19.B1 J19.B12 J21.1 J21.3 J21.9 J21.15 J21.21 J21.27 J21.33 J21.39 J21.45 J21.51 J21.57 J21.71 J21.73 J21.75 J21.76 J21.77 J22.1(BAT-) J25.3 J25.4 J26.2 J27.G1 J27.G2 J27.G3 J27.S1 J27.S2 J28.2 J28.3 J29.2 J29.3 J30.G1 J30.G2 J30.G3 J30.S1 J30.S2 L14.3 LED4.2(C) LED5.2(C) MH3.1(NC) MH4.1(NC) MH5.1(NC) MH6.1(NC) MH9.1(NC) MH10.1(NC) MH11.1(NC) MH13.1(NC) MH16.1(NC) OSC2.2 Q1.2(S) Q2.3(EMITTER) Q3.3(EMITTER) Q4.3(EMITTER) Q5.3(EMITTER) Q7.2(S) Q10.2(S) Q11.2(S) Q12.1 Q12.2 Q12.3 Q18.2(EMITTER) Q19.2(S) Q23.2(EMITTER) Q24.2(S) Q25.2(S) Q26.2(S) Q32.2(S) Q33.2(S) Q38.2(S) Q39.2(S) Q40.2(S) Q41.2(S) Q42.2(S) Q43.1 Q43.2 Q43.3 Q48.2(S) Q52.2(S) Q54.2(S) Q55.2(S) Q56.2(S) R18.2 R43.2 R49.2 R54.2 R56.1 R60.2 R66.2 R72.2 R74.2 R78.2 R83.2 R85.2 R86.2 R88.2 R91.2 R92.2 R94.2 R98.2 R101.2 R106.2 R109.2 R113.2 R116.1 R118.2 R122.2 R125.2 R129.2 R133.2 R145.2 R148.2 R155.2 R160.2 R163.2 R168.2 R170.2 R171.2 R174.2 R178.2 R180.2 R181.2 R182.2 R188.2 R190.2 R197.2 R207.2 R215.2 R222.2 R224.2 R226.2 R230.2 R231.2 R233.2 R236.2 R240.2 R243.2 R257.2 R272.2 R274.2 R275.2 R276.2 R277.2 R281.1 R282.1 R285.2 R291.2 R292.2 R297.2 R305.2 R316.2 R319.1 R326.2 R330.1 R335.1 R344.1 R346.2 R347.2 R348.2 R349.2 R369.2 R372.2 R374.2 R378.2 R379.2 R381.2 R383.2 R387.2 R388.1 R396.2 R397.1 R406.1 R408.2 R409.2 R410.1 R411.1 R424.2 R428.1 R430.1 R435.2 R440.2 R443.2 R444.1 R451.1 R456.2 R457.2 R460.2 R461.2 R462.2 R464.2 R466.2 R468.2 R470.2 R472.2 R474.2 R476.2 R478.2 R482.2 R484.2 R488.2 R490.2 R492.2 R494.2 R496.2 R498.2 R500.2 R501.2 R502.2 R504.2 R506.2 R508.2 R510.2 R512.2 R514.2 R523.2 R529.2 R530.2 R531.2 R532.2 R533.2 R534.2 R535.2 R536.2 R537.2 R546.2 R549.2 R550.2 R551.2 R557.2 R571.2 R574.2 R575.2 R576.2 R582.2 R595.2 R598.2 R599.2 R600.2 R604.1 R606.2 R610.2 R611.2 R621.2 R625.2 SW1.2 SW1.3 SW1.4(B2) SW2.2 SW2.3 SW2.4(B2) TP50.1(TP) TP51.1(TP) TP53.1(TP) TP55.1(TP) TP56.1(TP) U1.2 U2.3 U2.8 U3.3 U3.8 U4.3 U4.8 U5.2 U6.7 U7.2 U7.8 U8.57 U9.2 U10.1 U11.4 U12.4 U12.9 U13.1 U14.1 U14.3 U14.9 U15.4 U15.9 U16.4 U17.2 U17.5 U18.11 U19.1 U19.3 U20.1 U20.3 U21.3 U22.2 U23.19 U23.57 U24.4 U25.3 U25.14 U25.21 U26.2 U27.4 U27.9 U28.4 U29.4 U30.15 U30.18 U30.22 U30.49(VSS(EPAD)) U31.3 U31.14 U31.21 U32.3 U32.8 U33.3 U34.3 U35.2 U36.2 U37.2(VSS) U38.15 U38.18 U38.22 U38.49(VSS(EPAD)) U39.3 U39.8 U40.3 U40.8 U41.3 U41.8 U43.3 U43.8 U44.2 U44.8 U45.4 U46.4 U47.7 U48.15 U48.18 U48.22 U48.49(VSS(EPAD)) U49.3 U49.4 U49.5 U51.9 U51.25 U52.2(VSS) U53.1 U53.3 U54.2 U54.25 U55.2(VSS) U56.3 U56.8 U57.7 U59.3 U59.8 U60.3 U60.8 U61.3 U61.8 U63.2 U63.4 U63.11 U63.12 U63.30 U63.32 U63.34 U63.41 U63.50 U63.56 U63.61 U63.63 U63.66 U63.87 U63.90 U63.95 U63.104 U63.109 U63.112 U63.120 U63.126 U63.129 U64.1 U64.3 U64.9 U65.2 U66.3 U66.8 U67.3 U67.8 U68.3 U68.8 U69.3 U69.8 U70.3 U70.8 U71.15 U71.18 U71.22 U71.49(VSS(EPAD)) U72.2(VSS) U73.3 U73.8 U74.3 U74.8 U75.4 U76.49 U77.1 U77.3 U77.9 X1.2 X1.4 X2.2 X2.4 X3.2 X3.4 X4.2 X4.4 X5.2 X5.4 X6.2 X6.4 X7.2 X7.4
GND_DI: C10.2 C11.2 C12.2 C13.2 D15.1 D16.1 D17.1 D18.1 J2.2 J2.4 J2.6 Q2.2 Q3.2 Q4.2 Q5.2 R6.2 R7.2 R8.2 R9.2 R20.2 R22.2 R24.2 R26.2 R281.2
GND_DO: D61.1 D62.1 D63.1 D64.1 J2.8 J2.10 Q28.3(S) Q29.3(S) Q30.3(S) Q31.3(S) R311.2 R312.2 R313.2 R314.2 R406.2 R407.2
GND_ISO: C14.2 C52.2 C60.2 C244.2 C292.2 D2.3 D21.1 D68.1 D95.1 J2.12 R2.2 R56.2 R68.2 R280.1 R407.1 U7.9 U7.10 U7.15 U10.3(VOUT-)
GND_SHD1: C145.1 C261.2 C416.2 C426.2 C463.2 C503.2 G1.1 J10.S1 J10.S2 J10.S3 J10.S4 J10.S5 J14.15 J14.16 J18.S1 J18.S2 J18.S3 J18.S4 J19.S1 J19.S2 J19.S3 J19.S4 MH8.1(NC) R409.1 R612.2
GND_SHD2: C139.1 C178.2 C243.2 J1.10 J1.11(G2) J3.19 J3.20 J3.21 J3.22 J4.19 J4.20 J4.21 J4.22 MH7.1(NC) R408.1 R411.2 R445.2
GND_SHD3: C138.1 C261.1 MH2.1(NC) MH12.1(NC) R387.1 R612.1
GND_SHD4: C16.1 C244.1 MH1.1(NC) R2.1 R374.1
GND_SHD_HDMI: C178.1 J16.20 J16.21 J16.22 J16.23 R410.2 R444.2 R445.1 R451.2 R604.2
VBUS_A_EN: R40.2 R41.2 R42.2 R440.1 U5.4
VBUS_A_EN_31554888: R10.2 R15.2 R17.2 R18.1 U1.4
VBUSDET: C41.1 R54.1 R58.2 R286.2 U8.37
VCC1_5V_DC1: C128.1 D40.1 R187.1 R192.1 R194.2 U31.2
VCC1_5V_DC2: C112.1 D36.1 R104.1 R176.2 R179.1 U25.2
VCC2_DC1: C120.1 R164.2 U31.1(VCC2)
VCC2_DC2: C103.1 R149.2 U25.1(VCC2)
VCC_1V0: C314.1 C315.1 C316.1 C317.1 C318.1 C319.1 C320.1 C321.1 C322.1 C323.1 C324.1 C325.1 C326.1 C329.1 C330.1 C331.1 C333.1 C334.1 C335.1 C336.1 C337.1 C338.1 C339.1 C340.1 C341.1 C342.1 C343.1 C344.1 C345.1 C356.1 C357.1 C358.1 C359.1 C360.1 C361.1 C362.1 C363.1 C364.1 C365.1 C366.1 C367.1 C368.1 FB15.1 L35.2 R455.1 TP40.1(TP) U63.3 U63.23 U63.29 U63.31 U63.40 U63.55 U63.62 U63.65 U63.91 U63.99 U63.105 U63.108 U63.119 U63.125
VDD12_SW_OUT: C514.1 C515.1 C516.1 FB26.2 FB27.2 FB28.2 FB29.2 U71.13 U71.31 U71.40
VDD12_SW_OUT0: C270.1 C273.1 C282.1 FB6.2 FB7.2 FB10.2 FB11.2 U38.13 U38.31 U38.40
VDD12_SW_OUT1: C437.1 C438.1 C439.1 FB16.2 FB17.2 FB18.2 FB19.2 U30.13 U30.31 U30.40
VDD12_SW_OUT2: C474.1 C475.1 C476.1 FB12.2 FB13.2 FB22.2 FB23.2 U48.13 U48.31 U48.40
VDD25_REG_OUT: C522.1 C523.1 C524.1 FB30.2 FB31.2 U71.27
VDD25_REG_OUT0: C157.1 C158.1 C159.1 FB8.2 FB9.2 U38.27
VDD25_REG_OUT1: C445.1 C446.1 C447.1 FB20.2 FB21.2 U30.27
VDD25_REG_OUT2: C482.1 C483.1 C484.1 FB24.2 FB25.2 U48.27
VDD_1V0_AUX: C332.1 C377.1 C378.1 C379.1 C380.1 C381.1 C382.1 FB15.2 TP52.1(TP) U63.13 U63.14
VDD_1V2: C57.1 C62.1 C64.1 FB2.1 L11.2 R70.1 TP46.1(TP)
VDD_1V2_FB: C62.2 R70.2 R74.1 U14.4
VDD_1V2_HUB: C18.1 C19.1 C20.1 C25.1 C31.1 C38.1 C39.1 C48.1 C56.1 C220.1 FB2.2 U8.5 U8.12 U8.15 U8.21 U8.28 U8.33 U8.43 U8.49
VDD_1V8: C67.1 C74.2 C83.1 C86.2 C102.1 C140.2 C151.2 C229.1 C298.2 C299.2 Q6.1 Q13.1 Q15.1 R1.1 R44.1 R45.1 R46.1 R47.1 R82.1 R84.1 R89.1 R95.1 R99.1 R103.1 R105.1 R115.1 R134.1 R143.1 R154.2 R213.1 R242.1 R287.1 R294.1 R295.1 R306.1 R317.1 R331.1 R337.1 R345.1 R399.1 R427.1 R429.1 R433.1 R437.1 R580.1 TP47.1(TP) U6.1 U15.8 U16.8 U17.6(VCCB) U18.2 U22.5(OUT) U24.1 U33.5 U34.5 U47.1 U57.1
VDD_1V8_5V: C225.1 C228.1 R334.2 R337.2 R338.1 U44.1 U47.14(VCCB)
VDD_1V8_DISCHG: Q56.3 R580.2
VDD_1V8_FB: R105.2 R106.1 U22.4
VDD_1V25: C580.1 C583.1 C584.1 FB32.1 L34.2 R624.1 TP39.1(TP)
VDD_3V3_AUX: C373.1 C374.1 C375.1 C376.1 FB14.1 TP58.1(TP) U63.15
VDD_3V3_DISCHG: Q10.3 R127.2
VDD_3V3_HDMI: C163.1 C167.1 C182.1 Q19.1 Q21.1 Q22.1 R225.1 R240.1 R255.1 R256.1 R258.1 R398.2 U35.1(OUT)
VDD_3V3_HUB: C26.1 C27.1 C28.1 C34.1 C37.1 C47.1 C50.1 FB1.2 R58.1 U8.16 U8.31 U8.44 U8.55
VDD_3V3_SYS: C30.1 C51.1 C54.1 C55.1 C58.1 C61.1 C63.1 C65.1 C66.1 C68.1 C77.1 C78.1 C82.1 C89.1 C91.1 C92.1 C156.1 C160.1 C161.1 C162.1 C179.1 C183.1 C206.1 C208.1 C211.1 C214.1 C221.1 C224.1 C226.2 C260.1 C266.1 C267.1 C268.1 C269.1 C271.1 C293.1 C300.1 C301.1 C327.1 C328.1 C346.1 C347.1 C348.1 C349.1 C350.1 C351.1 C352.1 C353.1 C354.1 C355.1 C369.1 C370.1 C371.1 C372.1 C383.1 C384.1 C385.1 C386.1 C400.1 C401.1 C428.1 C431.1 C432.1 C433.1 C448.1 C449.1 C465.1 C468.1 C469.1 C470.1 C485.1 C486.1 C505.1 C508.1 C509.1 C510.1 C525.1 C526.1 D3.2 D72.2 D94.1 D96.2 D102.2 FB1.1 FB14.2 FB33.1 FB35.1 J5.2 J5.39 J5.41 J5.52 J6.2 J6.4 J6.70 J6.72 J6.74 J10.A9 J10.A11 J10.B9 J10.B11 J10.C9 J10.C11 J10.D9 J10.D11 J14.11 J14.14 J21.2 J21.4 J21.12 J21.14 J21.16 J21.18 J21.70 J21.72 J21.74 J25.9 LED1.1 LED2.1 OSC2.1 OSC2.4(VDD) R52.2 R57.1 R61.1 R62.1 R65.2 R69.1 R73.1 R75.1 R79.1 R80.1 R81.1 R102.1 R112.2 R121.1 R127.1 R166.1 R183.1 R195.1 R203.1 R204.1 R205.1 R206.1 R208.1 R209.1 R212.1 R217.1 R219.2 R241.1 R293.1 R309.2 R318.1 R325.1 R339.2 R340.1 R341.1 R342.1 R343.1 R361.1 R362.1 R365.1 R380.1 R382.1 R384.1 R385.1 R395.1 R404.1 R412.1 R413.1 R425.1 R426.2 R432.1 R458.1 R459.1 R463.1 R465.1 R467.1 R469.1 R471.1 R473.1 R475.1 R477.1 R481.1 R483.1 R487.1 R489.1 R491.1 R493.1 R495.1 R497.1 R499.1 R503.1 R505.1 R507.1 R509.1 R511.1 R513.1 R515.1 R516.1 R517.1 R518.1 R539.1 R540.1 R541.2 R588.1 R589.1 R590.2 TP57.1(TP) U6.14(VCCB) U7.1 U11.8 U12.8 U13.4(VCC) U18.19(VCCB) U22.1 U30.28 U30.33 U30.39 U30.41 U35.5 U37.6 U38.28 U38.33 U38.39 U38.41 U45.9(VCC) U46.9(VCC) U48.28 U48.33 U48.39 U48.41 U51.21(VCC) U52.6 U53.5 U55.6 U57.14(VCCB) U63.1 U63.8 U63.49 U63.64 U63.79 U63.82 U63.84 U63.96 U63.113 U64.5 U64.7 U64.8 U65.4 U71.28 U71.33 U71.39 U71.41 U72.6